# KiCad board haptic display 8x8 aisler.kicad_pcb (continued)
## Routing (per net, layer and track width the routed paths; a pad name or vN(x,y) marks a point on that pad's centre or on a via; arc(x,y) is an arc through that point) (continued)
  Back w0.15: 35.41,123.98 35.36,123.96 35,123.6 35,123.55 35.21,123.56 35.41,123.6 35.61,123.67 35.8,123.76 35.97,123.88 36.12,124.03 36.25,124.19 36.36,124.38 36.44,124.58 36.49,124.79 36.51,125 36.5,125.22 36.46,125.43 36.39,125.64 36.29,125.83 36.16,126.01 36.01,126.17 35.84,126.31 35.65,126.42 35.44,126.5 35.22,126.55 35,126.58 34.78,126.56 34.55,126.52 34.34,126.45 34.14,126.34 33.95,126.21 33.78,126.05 33.64,125.87 33.53,125.67 33.44,125.46 33.38,125.23 33.36,125 33.37,124.77 33.42,124.54 33.49,124.31 33.6,124.1 33.74,123.91 33.91,123.74 34.09,123.59 34.3,123.47 34.52,123.38 34.76,123.32 35,123.3 35.22,123.31 35.44,123.35 35.66,123.41 35.86,123.51 36.05,123.63 36.22,123.78 36.38,123.94 36.51,124.13 36.61,124.33 36.69,124.55 36.74,124.77 36.76,125 36.75,125.23 36.71,125.46 36.64,125.68 36.54,125.89 36.42,126.09 36.27,126.27 36.1,126.43 35.9,126.56 35.69,126.67 35.47,126.75 35.24,126.8 35,126.83 34.76,126.81 34.52,126.77 34.3,126.7 34.08,126.6 33.87,126.47 33.69,126.31 33.52,126.13 33.38,125.93 33.27,125.72 33.19,125.49 33.13,125.25 33.11,125 33.12,124.75 33.17,124.51 33.24,124.27 33.35,124.05 33.48,123.84 33.64,123.64 33.83,123.47 34.04,123.33 34.26,123.21 34.5,123.13 34.75,123.07 35,123.05 35.24,123.06 35.47,123.1 35.7,123.16 35.92,123.26 36.12,123.38 36.31,123.52 36.48,123.68 36.64,123.87 36.76,124.07 36.87,124.29 36.94,124.52 36.99,124.76 37.01,125 37,125.24 36.96,125.48 36.9,125.72 36.8,125.94 36.68,126.16 36.53,126.35 36.36,126.53 36.17,126.69 35.96,126.82 35.73,126.93 35.49,127.01 35.25,127.06 35,127.08 34.75,127.06 34.5,127.02 34.26,126.95 34.03,126.85 33.81,126.73 33.6,126.57 33.42,126.4 33.26,126.2 33.12,125.98 33.01,125.75 32.93,125.51 32.88,125.26 32.86,125 32.87,124.74 32.92,124.49 32.99,124.24 33.09,124 33.22,123.77 33.38,123.56 33.56,123.37 33.76,123.21 33.99,123.07 34.22,122.96 34.48,122.87 34.74,122.82 35,122.8 35.25,122.81 35.49,122.85 35.73,122.91 35.96,123 36.18,123.12 36.39,123.26 36.58,123.42 36.75,123.61 36.9,123.81 37.02,124.03 37.12,124.26 37.2,124.5 37.24,124.75 37.26,125 37.25,125.25 37.21,125.51 37.15,125.75 37.05,125.99 36.93,126.22 36.79,126.43 36.62,126.62 36.43,126.8 36.23,126.95 36,127.08 35.76,127.18 35.52,127.26 35.26,127.31 35,127.33 34.74,127.31 34.48,127.28 34.23,127.21 33.98,127.11 33.75,126.99 33.53,126.84 33.33,126.67 33.15,126.47 33,126.26 32.87,126.03 32.76,125.78 32.68,125.53 32.63,125.27 32.61,125 32.62,124.73 32.66,124.47 32.73,124.21 32.83,123.96 32.96,123.72 33.11,123.49 33.29,123.29 33.49,123.11 33.71,122.94 33.94,122.81 34.2,122.7 34.46,122.62 34.73,122.57 35,122.55 35.26,122.56 35.51,122.6 35.76,122.66 36,122.75 36.24,122.86 36.45,123 36.66,123.16 36.85,123.34 37.01,123.54 37.16,123.75 37.28,123.98 37.38,124.23 37.45,124.48 37.49,124.74 37.51,125 37.5,125.26 37.47,125.52 37.4,125.78 37.31,126.03 37.19,126.27 37.05,126.49 36.89,126.7 36.7,126.89 36.5,127.06 36.28,127.21 36.04,127.34 35.79,127.44 35.53,127.51 35.27,127.56 35,127.58 34.73,127.57 34.46,127.53 34.2,127.46 33.95,127.37 33.7,127.25 33.47,127.1 33.26,126.94 33.06,126.75 32.89,126.54 32.73,126.31 32.61,126.07 32.5,125.81 32.43,125.55 32.38,125.28 32.36,125 32.37,124.72 32.41,124.45 32.48,124.18 32.58,123.92 32.7,123.67 32.85,123.44 33.02,123.22 33.21,123.02 33.43,122.84 33.66,122.68 33.91,122.55 34.17,122.44 34.44,122.37 34.72,122.32 35,122.3 35.27,122.31 35.53,122.34 35.79,122.41 36.04,122.49 36.28,122.6 36.51,122.74 36.73,122.89 36.93,123.07 37.11,123.26 37.28,123.48 37.42,123.71 37.54,123.95 37.63,124.2 37.7,124.46 37.75,124.73 37.76,125 37.75,125.27 37.72,125.54 37.65,125.81 37.57,126.06 37.45,126.31 37.32,126.55 37.16,126.77 36.98,126.98 36.77,127.16 36.56,127.33 36.32,127.47 36.08,127.6 35.82,127.69 35.55,127.76 35.28,127.81 35,127.83 34.72,127.82 34.45,127.78 34.18,127.71 33.91,127.62 33.66,127.51 33.42,127.37 33.19,127.2 32.98,127.02 32.79,126.81 32.62,126.59 32.47,126.35 32.35,126.1 32.25,125.83 32.18,125.56 32.13,125.28 32.11,125 32.12,124.72 32.16,124.44 32.23,124.16 32.32,123.89 32.44,123.63 32.58,123.38 32.75,123.15 32.94,122.94 33.15,122.74 33.37,122.57 33.62,122.42 33.88,122.29 34.15,122.19 34.43,122.11 34.71,122.07 35,122.05 35.27,122.06 35.54,122.09 35.81,122.15 36.07,122.24 36.32,122.34 36.56,122.47 36.79,122.63 37.01,122.8 37.2,122.99 37.38,123.2 37.54,123.43 37.68,123.67 37.8,123.92 37.89,124.18 37.95,124.45 38,124.72 38.01,125 38,125.28 37.97,125.55 37.91,125.83 37.82,126.09 37.71,126.35 37.58,126.6 37.42,126.83 37.25,127.05 37.05,127.25 36.84,127.43 36.61,127.6 36.36,127.74 36.11,127.85 35.84,127.95 35.56,128.02 35.28,128.06 35,128.07 34.72,128.07 34.43,128.03 34.16,127.97 33.88,127.88 33.62,127.77 33.37,127.63 33.13,127.47 32.91,127.29 32.7,127.09 32.52,126.88 32.35,126.64 32.21,126.39 32.09,126.13 31.99,125.86 31.92,125.58 31.88,125.29 31.86,125 31.87,124.71 31.91,124.42 31.97,124.14 32.06,123.86 32.17,123.59 32.31,123.34 32.48,123.09 32.66,122.87 32.86,122.66 33.09,122.47 33.33,122.3 33.58,122.15 33.85,122.03 34.13,121.93 34.41,121.86 34.71,121.82 35,121.8 35.28,121.81 35.56,121.84 35.83,121.9 36.1,121.98 36.36,122.08 36.61,122.21 36.85,122.36 37.07,122.53 37.28,122.72 37.48,122.92 37.65,123.14 37.81,123.38 37.94,123.63 38.05,123.89 38.14,124.16 38.21,124.43 38.25,124.72 38.26,125 38.25,125.28 38.22,125.57 38.16,125.85 38.08,126.12 37.97,126.39 37.84,126.64 37.69,126.89 37.52,127.11 37.33,127.33 37.12,127.53 36.89,127.7 36.65,127.86 36.4,128 36.13,128.11 35.86,128.2 35.58,128.27 35.29,128.31 35,128.32 34.71,128.32 34.42,128.28 34.14,128.22 33.86,128.14 33.59,128.03 33.33,127.9 33.08,127.74 32.84,127.57 32.63,127.37 32.43,127.16 32.25,126.93 32.08,126.68 31.95,126.42 31.83,126.15 31.74,125.87 31.67,125.59 31.63,125.29 31.61,125 31.62,124.7 31.66,124.41 31.72,124.12 31.8,123.84 31.91,123.56 32.05,123.3 32.21,123.04 32.38,122.8 32.58,122.58 32.8,122.38 33.04,122.19 33.29,122.03 33.55,121.89 33.82,121.77 34.11,121.68 34.4,121.61 34.7,121.57 35,121.55 35.29,121.56 35.57,121.59 35.85,121.65 36.12,121.72 36.39,121.83 36.65,121.95 36.9,122.09 37.14,122.26 37.36,122.44 37.56,122.64 37.75,122.86 37.92,123.09 38.07,123.34 38.2,123.6 38.31,123.86 38.4,124.14 38.46,124.42 38.5,124.71 38.51,125 38.5,125.29 38.47,125.58 38.41,125.86 38.33,126.14 38.23,126.42 38.11,126.68 37.96,126.93 37.79,127.17 37.61,127.4 37.4,127.61 37.18,127.8 36.94,127.97 36.69,128.13 36.43,128.26 36.16,128.37 35.88,128.46 35.59,128.52 35.29,128.56 35,128.57 34.7,128.57 34.41,128.53 34.12,128.48 33.83,128.39 33.56,128.29 33.29,128.16 33.03,128.01 32.79,127.84 32.56,127.65 32.35,127.44 32.15,127.22 31.97,126.98 31.82,126.72 31.68,126.45 31.57,126.18 31.48,125.89 31.42,125.6 31.38,125.3 31.36,125 31.37,124.7 31.41,124.4 31.46,124.1 31.55,123.81 31.65,123.53 31.78,123.26 31.94,123 32.11,122.75 32.3,122.52 32.51,122.3 32.74,122.1 32.99,121.92 33.25,121.76 33.52,121.63 33.8,121.51 34.09,121.42 34.39,121.36 34.69,121.32 35,121.3 35.29,121.31 35.58,121.34 35.87,121.39 36.15,121.47 36.42,121.57 36.69,121.69 36.94,121.83 37.19,121.99 37.42,122.17 37.64,122.36 37.84,122.57 38.02,122.8 38.19,123.05 38.34,123.3 38.46,123.57 38.57,123.84 38.65,124.12 38.71,124.41 38.75,124.71 38.76,125 38.75,125.3 38.72,125.59 38.67,125.88 38.59,126.17 38.49,126.45 38.37,126.72 38.23,126.98 38.06,127.23 37.88,127.46 37.68,127.68 37.47,127.89 37.23,128.07 36.99,128.24 36.73,128.39 36.46,128.52 36.18,128.63 35.89,128.71 35.6,128.77 35.3,128.81 35,128.82 34.7,128.82 34.4,128.78 34.1,128.73 33.81,128.65 33.53,128.55 33.25,128.42 32.99,128.28 32.74,128.11 32.5,127.93 32.27,127.73 32.07,127.51 31.88,127.27 31.7,127.02 31.55,126.76 31.42,126.48 31.31,126.2 31.23,125.91 31.17,125.61 31.13,125.3 31.11,125 31.12,124.69 31.15,124.39 31.21,124.09 31.29,123.79 31.39,123.51 31.52,123.23 31.67,122.96 31.83,122.7 32.02,122.46 32.23,122.23 32.45,122.02 32.69,121.82 32.95,121.65 33.22,121.5 33.49,121.37 33.78,121.26 34.08,121.17 34.38,121.1 34.69,121.07 35,121.05 35.3,121.06 35.59,121.09 35.88,121.14 36.17,121.21 36.45,121.31 36.72,121.43 36.99,121.56 37.24,121.72 37.48,121.89 37.71,122.08 37.92,122.29 38.12,122.51 38.3,122.75 38.46,123 38.6,123.27 38.72,123.54 38.82,123.82 38.9,124.11 38.96,124.4 39,124.7 39.01,125 39,125.3 38.97,125.6 38.92,125.89 38.85,126.19 38.75,126.47 38.63,126.75 38.49,127.02 38.33,127.27 38.16,127.52 37.96,127.75 37.75,127.97 37.52,128.17 37.28,128.35 37.03,128.51 36.76,128.66 36.48,128.78 36.2,128.88 35.9,128.96 35.61,129.02 35.3,129.06 35,129.07 34.7,129.07 34.39,129.04 34.09,128.98 33.8,128.91 33.51,128.81 33.22,128.69 32.95,128.55 32.69,128.39 32.44,128.21 32.21,128.01 31.99,127.79 31.79,127.56 31.6,127.32 31.43,127.06 31.29,126.79 31.16,126.51 31.06,126.22 30.97,125.92 30.91,125.62 30.88,125.31 30.86,125 30.87,124.69 30.9,124.38 30.96,124.08 31.03,123.78 31.13,123.48 31.26,123.2 31.4,122.92 31.56,122.66 31.74,122.4 31.95,122.17 32.16,121.94 32.4,121.74 32.65,121.55 32.91,121.38 33.19,121.23 33.47,121.1 33.77,121 34.07,120.91 34.37,120.85 34.69,120.81 35,120.8 35.3,120.81 35.6,120.84 35.89,120.89 36.19,120.96 36.47,121.05 36.75,121.16 37.02,121.3 37.28,121.45 37.53,121.62 37.77,121.8 37.99,122.01 38.2,122.23 38.39,122.46 38.57,122.71 38.72,122.97 38.86,123.24 38.98,123.52 39.08,123.8 39.16,124.1 39.21,124.39 39.25,124.7 39.26,125 39.25,125.3 39.22,125.61 39.17,125.91 39.1,126.2 39.01,126.49 38.89,126.78 38.76,127.05 38.6,127.32 38.43,127.57 38.24,127.81 38.04,128.04 37.81,128.25 37.58,128.44 37.33,128.62 37.06,128.78 36.79,128.92 36.51,129.04 36.22,129.14 35.92,129.22 35.61,129.28 35.31,129.31 35,129.32 34.69,129.32 34.38,129.29 34.08,129.23 33.78,129.16 33.48,129.07 33.2,128.95 32.92,128.81 32.65,128.66 32.39,128.48 32.15,128.29 31.92,128.08 31.71,127.85 31.51,127.61 31.33,127.36 31.17,127.09 31.02,126.82 30.9,126.53 30.8,126.23 30.72,125.93 30.66,125.62 30.63,125.31 30.61,125 30.62,124.69 30.65,124.37 30.7,124.07 30.78,123.76 30.88,123.46 30.99,123.17 31.13,122.89 31.29,122.62 31.47,122.36 31.66,122.11 31.88,121.88 32.1,121.66 32.35,121.46 32.61,121.28 32.88,121.11 33.16,120.97 33.45,120.84 33.75,120.74 34.06,120.66 34.37,120.6 34.68,120.56 35,120.55 36.45,120.55 ; 35.41,108.98 35.36,108.96 35,108.6 35,108.55 35.21,108.56 35.41,108.6 35.61,108.67 35.8,108.76 35.97,108.88 36.12,109.03 36.25,109.19 36.36,109.38 36.44,109.58 36.49,109.79 36.51,110 36.5,110.22 36.46,110.43 36.39,110.64 36.29,110.83 36.16,111.01 36.01,111.17 35.84,111.31 35.65,111.42 35.44,111.5 35.22,111.55 35,111.58 34.78,111.56 34.55,111.52 34.34,111.45 34.14,111.34 33.95,111.21 33.78,111.05 33.64,110.87 33.53,110.67 33.44,110.46 33.38,110.23 33.36,110 33.37,109.77 33.42,109.54 33.49,109.31 33.6,109.1 33.74,108.91 33.91,108.74 34.09,108.59 34.3,108.47 34.52,108.38 34.76,108.32 35,108.3 35.22,108.31 35.44,108.35 35.66,108.41 35.86,108.51 36.05,108.63 36.22,108.78 36.38,108.94 36.51,109.13 36.61,109.33 36.69,109.55 36.74,109.77 36.76,110 36.75,110.23 36.71,110.46 36.64,110.68 36.54,110.89 36.42,111.09 36.27,111.27 36.1,111.43 35.9,111.56 35.69,111.67 35.47,111.75 35.24,111.8 35,111.83 34.76,111.81 34.52,111.77 34.3,111.7 34.08,111.6 33.87,111.47 33.69,111.31 33.52,111.13 33.38,110.93 33.27,110.72 33.19,110.49 33.13,110.25 33.11,110 33.12,109.75 33.17,109.51 33.24,109.27 33.35,109.05 33.48,108.84 33.64,108.64 33.83,108.47 34.04,108.33 34.26,108.21 34.5,108.13 34.75,108.07 35,108.05 35.24,108.06 35.47,108.1 35.7,108.16 35.92,108.26 36.12,108.38 36.31,108.52 36.48,108.68 36.64,108.87 36.76,109.07 36.87,109.29 36.94,109.52 36.99,109.76 37.01,110 37,110.24 36.96,110.48 36.9,110.72 36.8,110.94 36.68,111.16 36.53,111.35 36.36,111.53 36.17,111.69 35.96,111.82 35.73,111.93 35.49,112.01 35.25,112.06 35,112.08 34.75,112.06 34.5,112.02 34.26,111.95 34.03,111.85 33.81,111.73 33.6,111.57 33.42,111.4 33.26,111.2 33.12,110.98 33.01,110.75 32.93,110.51 32.88,110.26 32.86,110 32.87,109.74 32.92,109.49 32.99,109.24 33.09,109 33.22,108.77 33.38,108.56 33.56,108.37 33.76,108.21 33.99,108.07 34.22,107.96 34.48,107.87 34.74,107.82 35,107.8 35.25,107.81 35.49,107.85 35.73,107.91 35.96,108 36.18,108.12 36.39,108.26 36.58,108.42 36.75,108.61 36.9,108.81 37.02,109.03 37.12,109.26 37.2,109.5 37.24,109.75 37.26,110 37.25,110.25 37.21,110.51 37.15,110.75 37.05,110.99 36.93,111.22 36.79,111.43 36.62,111.62 36.43,111.8 36.23,111.95 36,112.08 35.76,112.18 35.52,112.26 35.26,112.31 35,112.33 34.74,112.31 34.48,112.28 34.23,112.21 33.98,112.11 33.75,111.99 33.53,111.84 33.33,111.67 33.15,111.47 33,111.26 32.87,111.03 32.76,110.78 32.68,110.53 32.63,110.27 32.61,110 32.62,109.73 32.66,109.47 32.73,109.21 32.83,108.96 32.96,108.72 33.11,108.49 33.29,108.29 33.49,108.11 33.71,107.94 33.94,107.81 34.2,107.7 34.46,107.62 34.73,107.57 35,107.55 35.26,107.56 35.51,107.6 35.76,107.66 36,107.75 36.24,107.86 36.45,108 36.66,108.16 36.85,108.34 37.01,108.54 37.16,108.75 37.28,108.98 37.38,109.23 37.45,109.48 37.49,109.74 37.51,110 37.5,110.26 37.47,110.52 37.4,110.78 37.31,111.03 37.19,111.27 37.05,111.49 36.89,111.7 36.7,111.89 36.5,112.06 36.28,112.21 36.04,112.34 35.79,112.44 35.53,112.51 35.27,112.56 35,112.58 34.73,112.57 34.46,112.53 34.2,112.46 33.95,112.37 33.7,112.25 33.47,112.1 33.26,111.94 33.06,111.75 32.89,111.54 32.73,111.31 32.61,111.07 32.5,110.81 32.43,110.55 32.38,110.28 32.36,110 32.37,109.72 32.41,109.45 32.48,109.18 32.58,108.92 32.7,108.67 32.85,108.44 33.02,108.22 33.21,108.02 33.43,107.84 33.66,107.68 33.91,107.55 34.17,107.44 34.44,107.37 34.72,107.32 35,107.3 35.27,107.31 35.53,107.34 35.79,107.41 36.04,107.49 36.28,107.6 36.51,107.74 36.73,107.89 36.93,108.07 37.11,108.26 37.28,108.48 37.42,108.71 37.54,108.95 37.63,109.2 37.7,109.46 37.75,109.73 37.76,110 37.75,110.27 37.72,110.54 37.65,110.81 37.57,111.06 37.45,111.31 37.32,111.55 37.16,111.77 36.98,111.98 36.77,112.16 36.56,112.33 36.32,112.47 36.08,112.6 35.82,112.69 35.55,112.76 35.28,112.81 35,112.83 34.72,112.82 34.45,112.78 34.18,112.71 33.91,112.62 33.66,112.51 33.42,112.37 33.19,112.2 32.98,112.02 32.79,111.81 32.62,111.59 32.47,111.35 32.35,111.1 32.25,110.83 32.18,110.56 32.13,110.28 32.11,110 32.12,109.72 32.16,109.44 32.23,109.16 32.32,108.89 32.44,108.63 32.58,108.38 32.75,108.15 32.94,107.94 33.15,107.74 33.37,107.57 33.62,107.42 33.88,107.29 34.15,107.19 34.43,107.11 34.71,107.07 35,107.05 35.27,107.06 35.54,107.09 35.81,107.15 36.07,107.24 36.32,107.34 36.56,107.47 36.79,107.63 37.01,107.8 37.2,107.99 37.38,108.2 37.54,108.43 37.68,108.67 37.8,108.92 37.89,109.18 37.95,109.45 38,109.72 38.01,110 38,110.28 37.97,110.55 37.91,110.83 37.82,111.09 37.71,111.35 37.58,111.6 37.42,111.83 37.25,112.05 37.05,112.25 36.84,112.43 36.61,112.6 36.36,112.74 36.11,112.85 35.84,112.95 35.56,113.02 35.28,113.06 35,113.08 34.72,113.07 34.43,113.03 34.16,112.97 33.88,112.88 33.62,112.77 33.37,112.63 33.13,112.47 32.91,112.29 32.7,112.09 32.52,111.88 32.35,111.64 32.21,111.39 32.09,111.13 31.99,110.86 31.92,110.58 31.88,110.29 31.86,110 31.87,109.71 31.91,109.42 31.97,109.14 32.06,108.86 32.17,108.59 32.31,108.34 32.48,108.09 32.66,107.87 32.86,107.66 33.09,107.47 33.33,107.3 33.58,107.15 33.85,107.03 34.13,106.93 34.41,106.86 34.71,106.82 35,106.8 35.28,106.81 35.56,106.84 35.83,106.9 36.1,106.98 36.36,107.08 36.61,107.21 36.85,107.36 37.07,107.53 37.28,107.72 37.48,107.92 37.65,108.14 37.81,108.38 37.94,108.63 38.05,108.89 38.14,109.16 38.21,109.43 38.25,109.72 38.26,110 38.25,110.28 38.22,110.57 38.16,110.85 38.08,111.12 37.97,111.39 37.84,111.64 37.69,111.89 37.52,112.11 37.33,112.33 37.12,112.53 36.89,112.7 36.65,112.86 36.4,113 36.13,113.11 35.86,113.2 35.58,113.27 35.29,113.31 35,113.33 34.71,113.32 34.42,113.28 34.14,113.22 33.86,113.14 33.59,113.03 33.33,112.9 33.08,112.74 32.84,112.57 32.63,112.37 32.43,112.16 32.25,111.93 32.08,111.68 31.95,111.42 31.83,111.15 31.74,110.87 31.67,110.59 31.63,110.29 31.61,110 31.62,109.7 31.66,109.41 31.72,109.12 31.8,108.84 31.91,108.56 32.05,108.3 32.21,108.04 32.38,107.8 32.58,107.58 32.8,107.38 33.04,107.19 33.29,107.03 33.55,106.89 33.82,106.77 34.11,106.68 34.4,106.61 34.7,106.57 35,106.55 35.29,106.56 35.57,106.59 35.85,106.65 36.12,106.72 36.39,106.83 36.65,106.95 36.9,107.09 37.14,107.26 37.36,107.44 37.56,107.64 37.75,107.86 37.92,108.09 38.07,108.34 38.2,108.6 38.31,108.86 38.4,109.14 38.46,109.42 38.5,109.71 38.51,110 38.5,110.29 38.47,110.58 38.41,110.86 38.33,111.14 38.23,111.42 38.11,111.68 37.96,111.93 37.79,112.17 37.61,112.4 37.4,112.61 37.18,112.8 36.94,112.97 36.69,113.13 36.43,113.26 36.16,113.37 35.88,113.46 35.59,113.52 35.29,113.56 35,113.58 34.7,113.57 34.41,113.53 34.12,113.48 33.83,113.39 33.56,113.29 33.29,113.16 33.03,113.01 32.79,112.84 32.56,112.65 32.35,112.44 32.15,112.22 31.97,111.98 31.82,111.72 31.68,111.45 31.57,111.18 31.48,110.89 31.42,110.6 31.38,110.3 31.36,110 31.37,109.7 31.41,109.4 31.46,109.1 31.55,108.81 31.65,108.53 31.78,108.26 31.94,108 32.11,107.75 32.3,107.52 32.51,107.3 32.74,107.1 32.99,106.92 33.25,106.76 33.52,106.63 33.8,106.51 34.09,106.42 34.39,106.36 34.69,106.32 35,106.3 35.29,106.31 35.58,106.34 35.87,106.39 36.15,106.47 36.42,106.57 36.69,106.69 36.94,106.83 37.19,106.99 37.42,107.17 37.64,107.36 37.84,107.57 38.02,107.8 38.19,108.05 38.34,108.3 38.46,108.57 38.57,108.84 38.65,109.12 38.71,109.41 38.75,109.71 38.76,110 38.75,110.3 38.72,110.59 38.67,110.88 38.59,111.17 38.49,111.45 38.37,111.72 38.23,111.98 38.06,112.23 37.88,112.46 37.68,112.68 37.47,112.89 37.23,113.07 36.99,113.24 36.73,113.39 36.46,113.52 36.18,113.63 35.89,113.71 35.6,113.77 35.3,113.81 35,113.83 34.7,113.82 34.4,113.78 34.1,113.73 33.81,113.65 33.53,113.55 33.25,113.42 32.99,113.28 32.74,113.11 32.5,112.93 32.27,112.73 32.07,112.51 31.88,112.27 31.7,112.02 31.55,111.76 31.42,111.48 31.31,111.2 31.23,110.91 31.17,110.61 31.13,110.3 31.11,110 31.12,109.69 31.15,109.39 31.21,109.09 31.29,108.79 31.39,108.51 31.52,108.23 31.67,107.96 31.83,107.7 32.02,107.46 32.23,107.23 32.45,107.02 32.69,106.82 32.95,106.65 33.22,106.5 33.49,106.37 33.78,106.26 34.08,106.17 34.38,106.1 34.69,106.07 35,106.05 35.3,106.06 35.59,106.09 35.88,106.14 36.17,106.21 36.45,106.31 36.72,106.43 36.99,106.56 37.24,106.72 37.48,106.89 37.71,107.08 37.92,107.29 38.12,107.51 38.3,107.75 38.46,108 38.6,108.27 38.72,108.54 38.82,108.82 38.9,109.11 38.96,109.4 39,109.7 39.01,110 39,110.3 38.97,110.6 38.92,110.89 38.85,111.19 38.75,111.47 38.63,111.75 38.49,112.02 38.33,112.27 38.16,112.52 37.96,112.75 37.75,112.97 37.52,113.17 37.28,113.35 37.03,113.51 36.76,113.66 36.48,113.78 36.2,113.88 35.9,113.96 35.61,114.02 35.3,114.06 35,114.08 34.7,114.07 34.39,114.04 34.09,113.98 33.8,113.91 33.51,113.81 33.22,113.69 32.95,113.55 32.69,113.39 32.44,113.21 32.21,113.01 31.99,112.79 31.79,112.56 31.6,112.32 31.43,112.06 31.29,111.79 31.16,111.51 31.06,111.22 30.97,110.92 30.91,110.62 30.88,110.31 30.86,110 30.87,109.69 30.9,109.38 30.96,109.08 31.03,108.78 31.13,108.48 31.26,108.2 31.4,107.92 31.56,107.66 31.74,107.4 31.95,107.17 32.16,106.94 32.4,106.74 32.65,106.55 32.91,106.38 33.19,106.23 33.47,106.1 33.77,106 34.07,105.91 34.37,105.85 34.69,105.81 35,105.8 35.3,105.81 35.6,105.84 35.89,105.89 36.19,105.96 36.47,106.05 36.75,106.16 37.02,106.3 37.28,106.45 37.53,106.62 37.77,106.8 37.99,107.01 38.2,107.23 38.39,107.46 38.57,107.71 38.72,107.97 38.86,108.24 38.98,108.52 39.08,108.8 39.16,109.1 39.21,109.39 39.25,109.7 39.26,110 39.25,110.3 39.22,110.61 39.17,110.91 39.1,111.2 39.01,111.49 38.89,111.78 38.76,112.05 38.6,112.32 38.43,112.57 38.24,112.81 38.04,113.04 37.81,113.25 37.58,113.44 37.33,113.62 37.06,113.78 36.79,113.92 36.51,114.04 36.22,114.14 35.92,114.22 35.61,114.28 35.31,114.31 35,114.33 34.69,114.32 34.38,114.29 34.08,114.23 33.78,114.16 33.48,114.07 33.2,113.95 32.92,113.81 32.65,113.66 32.39,113.48 32.15,113.29 31.92,113.08 31.71,112.85 31.51,112.61 31.33,112.36 31.17,112.09 31.02,111.82 30.9,111.53 30.8,111.23 30.72,110.93 30.66,110.62 30.63,110.31 30.61,110 30.62,109.69 30.65,109.37 30.7,109.07 30.78,108.76 30.88,108.46 30.99,108.17 31.13,107.89 31.29,107.62 31.47,107.36 31.66,107.11 31.88,106.88 32.1,106.66 32.35,106.46 32.61,106.28 32.88,106.11 33.16,105.97 33.45,105.84 33.75,105.74 34.06,105.66 34.37,105.6 34.68,105.56 35,105.55 36.45,105.55 ; 35.41,93.98 35.36,93.96 35,93.6 35,93.55 35.21,93.56 35.41,93.6 35.61,93.67 35.8,93.76 35.97,93.88 36.12,94.03 36.25,94.19 36.36,94.38 36.44,94.58 36.49,94.79 36.51,95 36.5,95.22 36.46,95.43 36.39,95.64 36.29,95.83 36.16,96.01 36.01,96.17 35.84,96.31 35.65,96.42 35.44,96.5 35.22,96.55 35,96.58 34.78,96.56 34.55,96.52 34.34,96.45 34.14,96.34 33.95,96.21 33.78,96.05 33.64,95.87 33.53,95.67 33.44,95.46 33.38,95.23 33.36,95 33.37,94.77 33.42,94.54 33.49,94.31 33.6,94.1 33.74,93.91 33.91,93.74 34.09,93.59 34.3,93.47 34.52,93.38 34.76,93.32 35,93.3 35.22,93.31 35.44,93.35 35.66,93.41 35.86,93.51 36.05,93.63 36.22,93.78 36.38,93.94 36.51,94.13 36.61,94.33 36.69,94.55 36.74,94.77 36.76,95 36.75,95.23 36.71,95.46 36.64,95.68 36.54,95.89 36.42,96.09 36.27,96.27 36.1,96.43 35.9,96.56 35.69,96.67 35.47,96.75 35.24,96.8 35,96.83 34.76,96.81 34.52,96.77 34.3,96.7 34.08,96.6 33.87,96.47 33.69,96.31 33.52,96.13 33.38,95.93 33.27,95.72 33.19,95.49 33.13,95.25 33.11,95 33.12,94.75 33.17,94.51 33.24,94.27 33.35,94.05 33.48,93.84 33.64,93.64 33.83,93.47 34.04,93.33 34.26,93.21 34.5,93.13 34.75,93.07 35,93.05 35.24,93.06 35.47,93.1 35.7,93.16 35.92,93.26 36.12,93.38 36.31,93.52 36.48,93.68 36.64,93.87 36.76,94.07 36.87,94.29 36.94,94.52 36.99,94.76 37.01,95 37,95.24 36.96,95.48 36.9,95.72 36.8,95.94 36.68,96.16 36.53,96.35 36.36,96.53 36.17,96.69 35.96,96.82 35.73,96.93 35.49,97.01 35.25,97.06 35,97.08 34.75,97.06 34.5,97.02 34.26,96.95 34.03,96.85 33.81,96.73 33.6,96.57 33.42,96.4 33.26,96.2 33.12,95.98 33.01,95.75 32.93,95.51 32.88,95.26 32.86,95 32.87,94.74 32.92,94.49 32.99,94.24 33.09,94 33.22,93.77 33.38,93.56 33.56,93.37 33.76,93.21 33.99,93.07 34.22,92.96 34.48,92.87 34.74,92.82 35,92.8 35.25,92.81 35.49,92.85 35.73,92.91 35.96,93 36.18,93.12 36.39,93.26 36.58,93.42 36.75,93.61 36.9,93.81 37.02,94.03 37.12,94.26 37.2,94.5 37.24,94.75 37.26,95 37.25,95.25 37.21,95.51 37.15,95.75 37.05,95.99 36.93,96.22 36.79,96.43 36.62,96.62 36.43,96.8 36.23,96.95 36,97.08 35.76,97.18 35.52,97.26 35.26,97.31 35,97.33 34.74,97.31 34.48,97.28 34.23,97.21 33.98,97.11 33.75,96.99 33.53,96.84 33.33,96.67 33.15,96.47 33,96.26 32.87,96.03 32.76,95.78 32.68,95.53 32.63,95.27 32.61,95 32.62,94.73 32.66,94.47 32.73,94.21 32.83,93.96 32.96,93.72 33.11,93.49 33.29,93.29 33.49,93.11 33.71,92.94 33.94,92.81 34.2,92.7 34.46,92.62 34.73,92.57 35,92.55 35.26,92.56 35.51,92.6 35.76,92.66 36,92.75 36.24,92.86 36.45,93 36.66,93.16 36.85,93.34 37.01,93.54 37.16,93.75 37.28,93.98 37.38,94.23 37.45,94.48 37.49,94.74 37.51,95 37.5,95.26 37.47,95.52 37.4,95.78 37.31,96.03 37.19,96.27 37.05,96.49 36.89,96.7 36.7,96.89 36.5,97.06 36.28,97.21 36.04,97.34 35.79,97.44 35.53,97.51 35.27,97.56 35,97.58 34.73,97.57 34.46,97.53 34.2,97.46 33.95,97.37 33.7,97.25 33.47,97.1 33.26,96.94 33.06,96.75 32.89,96.54 32.73,96.31 32.61,96.07 32.5,95.81 32.43,95.55 32.38,95.28 32.36,95 32.37,94.72 32.41,94.45 32.48,94.18 32.58,93.92 32.7,93.67 32.85,93.44 33.02,93.22 33.21,93.02 33.43,92.84 33.66,92.68 33.91,92.55 34.17,92.44 34.44,92.37 34.72,92.32 35,92.3 35.27,92.31 35.53,92.34 35.79,92.41 36.04,92.49 36.28,92.6 36.51,92.74 36.73,92.89 36.93,93.07 37.11,93.26 37.28,93.48 37.42,93.71 37.54,93.95 37.63,94.2 37.7,94.46 37.75,94.73 37.76,95 37.75,95.27 37.72,95.54 37.65,95.81 37.57,96.06 37.45,96.31 37.32,96.55 37.16,96.77 36.98,96.98 36.77,97.16 36.56,97.33 36.32,97.47 36.08,97.6 35.82,97.69 35.55,97.76 35.28,97.81 35,97.83 34.72,97.82 34.45,97.78 34.18,97.71 33.91,97.62 33.66,97.51 33.42,97.37 33.19,97.2 32.98,97.02 32.79,96.81 32.62,96.59 32.47,96.35 32.35,96.1 32.25,95.83 32.18,95.56 32.13,95.28 32.11,95 32.12,94.72 32.16,94.44 32.23,94.16 32.32,93.89 32.44,93.63 32.58,93.38 32.75,93.15 32.94,92.94 33.15,92.74 33.37,92.57 33.62,92.42 33.88,92.29 34.15,92.19 34.43,92.11 34.71,92.07 35,92.05 35.27,92.06 35.54,92.09 35.81,92.15 36.07,92.24 36.32,92.34 36.56,92.47 36.79,92.63 37.01,92.8 37.2,92.99 37.38,93.2 37.54,93.43 37.68,93.67 37.8,93.92 37.89,94.18 37.95,94.45 38,94.72 38.01,95 38,95.28 37.97,95.55 37.91,95.83 37.82,96.09 37.71,96.35 37.58,96.6 37.42,96.83 37.25,97.05 37.05,97.25 36.84,97.43 36.61,97.6 36.36,97.74 36.11,97.85 35.84,97.95 35.56,98.02 35.28,98.06 35,98.08 34.72,98.07 34.43,98.03 34.16,97.97 33.88,97.88 33.62,97.77 33.37,97.63 33.13,97.47 32.91,97.29 32.7,97.09 32.52,96.88 32.35,96.64 32.21,96.39 32.09,96.13 31.99,95.86 31.92,95.58 31.88,95.29 31.86,95 31.87,94.71 31.91,94.42 31.97,94.14 32.06,93.86 32.17,93.59 32.31,93.34 32.48,93.09 32.66,92.87 32.86,92.66 33.09,92.47 33.33,92.3 33.58,92.15 33.85,92.03 34.13,91.93 34.41,91.86 34.71,91.82 35,91.8 35.28,91.81 35.56,91.84 35.83,91.9 36.1,91.98 36.36,92.08 36.61,92.21 36.85,92.36 37.07,92.53 37.28,92.72 37.48,92.92 37.65,93.14 37.81,93.38 37.94,93.63 38.05,93.89 38.14,94.16 38.21,94.43 38.25,94.72 38.26,95 38.25,95.28 38.22,95.57 38.16,95.85 38.08,96.12 37.97,96.39 37.84,96.64 37.69,96.89 37.52,97.11 37.33,97.33 37.12,97.53 36.89,97.7 36.65,97.86 36.4,98 36.13,98.11 35.86,98.2 35.58,98.27 35.29,98.31 35,98.33 34.71,98.32 34.42,98.28 34.14,98.22 33.86,98.14 33.59,98.03 33.33,97.9 33.08,97.74 32.84,97.57 32.63,97.37 32.43,97.16 32.25,96.93 32.08,96.68 31.95,96.42 31.83,96.15 31.74,95.87 31.67,95.59 31.63,95.29 31.61,95 31.62,94.7 31.66,94.41 31.72,94.12 31.8,93.84 31.91,93.56 32.05,93.3 32.21,93.04 32.38,92.8 32.58,92.58 32.8,92.38 33.04,92.19 33.29,92.03 33.55,91.89 33.82,91.77 34.11,91.68 34.4,91.61 34.7,91.57 35,91.55 35.29,91.56 35.57,91.59 35.85,91.65 36.12,91.72 36.39,91.83 36.65,91.95 36.9,92.09 37.14,92.26 37.36,92.44 37.56,92.64 37.75,92.86 37.92,93.09 38.07,93.34 38.2,93.6 38.31,93.86 38.4,94.14 38.46,94.42 38.5,94.71 38.51,95 38.5,95.29 38.47,95.58 38.41,95.86 38.33,96.14 38.23,96.42 38.11,96.68 37.96,96.93 37.79,97.17 37.61,97.4 37.4,97.61 37.18,97.8 36.94,97.97 36.69,98.13 36.43,98.26 36.16,98.37 35.88,98.46 35.59,98.52 35.29,98.56 35,98.58 34.7,98.57 34.41,98.53 34.12,98.48 33.83,98.39 33.56,98.29 33.29,98.16 33.03,98.01 32.79,97.84 32.56,97.65 32.35,97.44 32.15,97.22 31.97,96.98 31.82,96.72 31.68,96.45 31.57,96.18 31.48,95.89 31.42,95.6 31.38,95.3 31.36,95 31.37,94.7 31.41,94.4 31.46,94.1 31.55,93.81 31.65,93.53 31.78,93.26 31.94,93 32.11,92.75 32.3,92.52 32.51,92.3 32.74,92.1 32.99,91.92 33.25,91.76 33.52,91.63 33.8,91.51 34.09,91.42 34.39,91.36 34.69,91.32 35,91.3 35.29,91.31 35.58,91.34 35.87,91.39 36.15,91.47 36.42,91.57 36.69,91.69 36.94,91.83 37.19,91.99 37.42,92.17 37.64,92.36 37.84,92.57 38.02,92.8 38.19,93.05 38.34,93.3 38.46,93.57 38.57,93.84 38.65,94.12 38.71,94.41 38.75,94.71 38.76,95 38.75,95.3 38.72,95.59 38.67,95.88 38.59,96.17 38.49,96.45 38.37,96.72 38.23,96.98 38.06,97.23 37.88,97.46 37.68,97.68 37.47,97.89 37.23,98.07 36.99,98.24 36.73,98.39 36.46,98.52 36.18,98.63 35.89,98.71 35.6,98.77 35.3,98.81 35,98.83 34.7,98.82 34.4,98.78 34.1,98.73 33.81,98.65 33.53,98.55 33.25,98.42 32.99,98.28 32.74,98.11 32.5,97.93 32.27,97.73 32.07,97.51 31.88,97.27 31.7,97.02 31.55,96.76 31.42,96.48 31.31,96.2 31.23,95.91 31.17,95.61 31.13,95.3 31.11,95 31.12,94.69 31.15,94.39 31.21,94.09 31.29,93.79 31.39,93.51 31.52,93.23 31.67,92.96 31.83,92.7 32.02,92.46 32.23,92.23 32.45,92.02 32.69,91.82 32.95,91.65 33.22,91.5 33.49,91.37 33.78,91.26 34.08,91.17 34.38,91.1 34.69,91.07 35,91.05 35.3,91.06 35.59,91.09 35.88,91.14 36.17,91.21 36.45,91.31 36.72,91.43 36.99,91.56 37.24,91.72 37.48,91.89 37.71,92.08 37.92,92.29 38.12,92.51 38.3,92.75 38.46,93 38.6,93.27 38.72,93.54 38.82,93.82 38.9,94.11 38.96,94.4 39,94.7 39.01,95 39,95.3 38.97,95.6 38.92,95.89 38.85,96.19 38.75,96.47 38.63,96.75 38.49,97.02 38.33,97.27 38.16,97.52 37.96,97.75 37.75,97.97 37.52,98.17 37.28,98.35 37.03,98.51 36.76,98.66 36.48,98.78 36.2,98.88 35.9,98.96 35.61,99.02 35.3,99.06 35,99.08 34.7,99.07 34.39,99.04 34.09,98.98 33.8,98.91 33.51,98.81 33.22,98.69 32.95,98.55 32.69,98.39 32.44,98.21 32.21,98.01 31.99,97.79 31.79,97.56 31.6,97.32 31.43,97.06 31.29,96.79 31.16,96.51 31.06,96.22 30.97,95.92 30.91,95.62 30.88,95.31 30.86,95 30.87,94.69 30.9,94.38 30.96,94.08 31.03,93.78 31.13,93.48 31.26,93.2 31.4,92.92 31.56,92.66 31.74,92.4 31.95,92.17 32.16,91.94 32.4,91.74 32.65,91.55 32.91,91.38 33.19,91.23 33.47,91.1 33.77,91 34.07,90.91 34.37,90.85 34.69,90.81 35,90.8 35.3,90.81 35.6,90.84 35.89,90.89 36.19,90.96 36.47,91.05 36.75,91.16 37.02,91.3 37.28,91.45 37.53,91.62 37.77,91.8 37.99,92.01 38.2,92.23 38.39,92.46 38.57,92.71 38.72,92.97 38.86,93.24 38.98,93.52 39.08,93.8 39.16,94.1 39.21,94.39 39.25,94.7 39.26,95 39.25,95.3 39.22,95.61 39.17,95.91 39.1,96.2 39.01,96.49 38.89,96.78 38.76,97.05 38.6,97.32 38.43,97.57 38.24,97.81 38.04,98.04 37.81,98.25 37.58,98.44 37.33,98.62 37.06,98.78 36.79,98.92 36.51,99.04 36.22,99.14 35.92,99.22 35.61,99.28 35.31,99.31 35,99.33 34.69,99.32 34.38,99.29 34.08,99.23 33.78,99.16 33.48,99.07 33.2,98.95 32.92,98.81 32.65,98.66 32.39,98.48 32.15,98.29 31.92,98.08 31.71,97.85 31.51,97.61 31.33,97.36 31.17,97.09 31.02,96.82 30.9,96.53 30.8,96.23 30.72,95.93 30.66,95.62 30.63,95.31 30.61,95 30.62,94.69 30.65,94.37 30.7,94.07 30.78,93.76 30.88,93.46 30.99,93.17 31.13,92.89 31.29,92.62 31.47,92.36 31.66,92.11 31.88,91.88 32.1,91.66 32.35,91.46 32.61,91.28 32.88,91.11 33.16,90.97 33.45,90.84 33.75,90.74 34.06,90.66 34.37,90.6 34.68,90.56 35,90.55 36.45,90.55 ; 35.41,78.98 35.36,78.96 35,78.6 35,78.55 35.21,78.56 35.41,78.6 35.61,78.67 35.8,78.76 35.97,78.88 36.12,79.03 36.25,79.19 36.36,79.38 36.44,79.58 36.49,79.79 36.51,80 36.5,80.22 36.46,80.43 36.39,80.64 36.29,80.83 36.16,81.01 36.01,81.17 35.84,81.31 35.65,81.42 35.44,81.5 35.22,81.55 35,81.58 34.78,81.56 34.55,81.52 34.34,81.45 34.14,81.34 33.95,81.21 33.78,81.05 33.64,80.87 33.53,80.67 33.44,80.46 33.38,80.23 33.36,80 33.37,79.77 33.42,79.54 33.49,79.31 33.6,79.1 33.74,78.91 33.91,78.74 34.09,78.59 34.3,78.47 34.52,78.38 34.76,78.32 35,78.3 35.22,78.31 35.44,78.35 35.66,78.41 35.86,78.51 36.05,78.63 36.22,78.78 36.38,78.94 36.51,79.13 36.61,79.33 36.69,79.55 36.74,79.77 36.76,80 36.75,80.23 36.71,80.46 36.64,80.68 36.54,80.89 36.42,81.09 36.27,81.27 36.1,81.43 35.9,81.56 35.69,81.67 35.47,81.75 35.24,81.8 35,81.83 34.76,81.81 34.52,81.77 34.3,81.7 34.08,81.6 33.87,81.47 33.69,81.31 33.52,81.13 33.38,80.93 33.27,80.72 33.19,80.49 33.13,80.25 33.11,80 33.12,79.75 33.17,79.51 33.24,79.27 33.35,79.05 33.48,78.84 33.64,78.64 33.83,78.47 34.04,78.33 34.26,78.21 34.5,78.13 34.75,78.07 35,78.05 35.24,78.06 35.47,78.1 35.7,78.16 35.92,78.26 36.12,78.38 36.31,78.52 36.48,78.68 36.64,78.87 36.76,79.07 36.87,79.29 36.94,79.52 36.99,79.76 37.01,80 37,80.24 36.96,80.48 36.9,80.72 36.8,80.94 36.68,81.16 36.53,81.35 36.36,81.53 36.17,81.69 35.96,81.82 35.73,81.93 35.49,82.01 35.25,82.06 35,82.08 34.75,82.06 34.5,82.02 34.26,81.95 34.03,81.85 33.81,81.73 33.6,81.57 33.42,81.4 33.26,81.2 33.12,80.98 33.01,80.75 32.93,80.51 32.88,80.26 32.86,80 32.87,79.74 32.92,79.49 32.99,79.24 33.09,79 33.22,78.77 33.38,78.56 33.56,78.37 33.76,78.21 33.99,78.07 34.22,77.96 34.48,77.87 34.74,77.82 35,77.8 35.25,77.81 35.49,77.85 35.73,77.91 35.96,78 36.18,78.12 36.39,78.26 36.58,78.42 36.75,78.61 36.9,78.81 37.02,79.03 37.12,79.26 37.2,79.5 37.24,79.75 37.26,80 37.25,80.25 37.21,80.51 37.15,80.75 37.05,80.99 36.93,81.22 36.79,81.43 36.62,81.62 36.43,81.8 36.23,81.95 36,82.08 35.76,82.18 35.52,82.26 35.26,82.31 35,82.33 34.74,82.31 34.48,82.28 34.23,82.21 33.98,82.11 33.75,81.99 33.53,81.84 33.33,81.67 33.15,81.47 33,81.26 32.87,81.03 32.76,80.78 32.68,80.53 32.63,80.27 32.61,80 32.62,79.73 32.66,79.47 32.73,79.21 32.83,78.96 32.96,78.72 33.11,78.49 33.29,78.29 33.49,78.11 33.71,77.94 33.94,77.81 34.2,77.7 34.46,77.62 34.73,77.57 35,77.55 35.26,77.56 35.51,77.6 35.76,77.66 36,77.75 36.24,77.86 36.45,78 36.66,78.16 36.85,78.34 37.01,78.54 37.16,78.75 37.28,78.98 37.38,79.23 37.45,79.48 37.49,79.74 37.51,80 37.5,80.26 37.47,80.52 37.4,80.78 37.31,81.03 37.19,81.27 37.05,81.49 36.89,81.7 36.7,81.89 36.5,82.06 36.28,82.21 36.04,82.34 35.79,82.44 35.53,82.51 35.27,82.56 35,82.58 34.73,82.57 34.46,82.53 34.2,82.46 33.95,82.37 33.7,82.25 33.47,82.1 33.26,81.94 33.06,81.75 32.89,81.54 32.73,81.31 32.61,81.07 32.5,80.81 32.43,80.55 32.38,80.28 32.36,80 32.37,79.72 32.41,79.45 32.48,79.18 32.58,78.92 32.7,78.67 32.85,78.44 33.02,78.22 33.21,78.02 33.43,77.84 33.66,77.68 33.91,77.55 34.17,77.44 34.44,77.37 34.72,77.32 35,77.3 35.27,77.31 35.53,77.34 35.79,77.41 36.04,77.49 36.28,77.6 36.51,77.74 36.73,77.89 36.93,78.07 37.11,78.26 37.28,78.48 37.42,78.71 37.54,78.95 37.63,79.2 37.7,79.46 37.75,79.73 37.76,80 37.75,80.27 37.72,80.54 37.65,80.81 37.57,81.06 37.45,81.31 37.32,81.55 37.16,81.77 36.98,81.98 36.77,82.16 36.56,82.33 36.32,82.47 36.08,82.6 35.82,82.69 35.55,82.76 35.28,82.81 35,82.83 34.72,82.82 34.45,82.78 34.18,82.71 33.91,82.62 33.66,82.51 33.42,82.37 33.19,82.2 32.98,82.02 32.79,81.81 32.62,81.59 32.47,81.35 32.35,81.1 32.25,80.83 32.18,80.56 32.13,80.28 32.11,80 32.12,79.72 32.16,79.44 32.23,79.16 32.32,78.89 32.44,78.63 32.58,78.38 32.75,78.15 32.94,77.94 33.15,77.74 33.37,77.57 33.62,77.42 33.88,77.29 34.15,77.19 34.43,77.11 34.71,77.07 35,77.05 35.27,77.06 35.54,77.09 35.81,77.15 36.07,77.24 36.32,77.34 36.56,77.47 36.79,77.63 37.01,77.8 37.2,77.99 37.38,78.2 37.54,78.43 37.68,78.67 37.8,78.92 37.89,79.18 37.95,79.45 38,79.72 38.01,80 38,80.28 37.97,80.55 37.91,80.83 37.82,81.09 37.71,81.35 37.58,81.6 37.42,81.83 37.25,82.05 37.05,82.25 36.84,82.43 36.61,82.6 36.36,82.74 36.11,82.85 35.84,82.95 35.56,83.02 35.28,83.06 35,83.08 34.72,83.07 34.43,83.03 34.16,82.97 33.88,82.88 33.62,82.77 33.37,82.63 33.13,82.47 32.91,82.29 32.7,82.09 32.52,81.88 32.35,81.64 32.21,81.39 32.09,81.13 31.99,80.86 31.92,80.58 31.88,80.29 31.86,80 31.87,79.71 31.91,79.42 31.97,79.14 32.06,78.86 32.17,78.59 32.31,78.34 32.48,78.09 32.66,77.87 32.86,77.66 33.09,77.47 33.33,77.3 33.58,77.15 33.85,77.03 34.13,76.93 34.41,76.86 34.71,76.82 35,76.8 35.28,76.81 35.56,76.84 35.83,76.9 36.1,76.98 36.36,77.08 36.61,77.21 36.85,77.36 37.07,77.53 37.28,77.72 37.48,77.92 37.65,78.14 37.81,78.38 37.94,78.63 38.05,78.89 38.14,79.16 38.21,79.43 38.25,79.72 38.26,80 38.25,80.28 38.22,80.57 38.16,80.85 38.08,81.12 37.97,81.39 37.84,81.64 37.69,81.89 37.52,82.11 37.33,82.33 37.12,82.53 36.89,82.7 36.65,82.86 36.4,83 36.13,83.11 35.86,83.2 35.58,83.27 35.29,83.31 35,83.33 34.71,83.32 34.42,83.28 34.14,83.22 33.86,83.14 33.59,83.03 33.33,82.9 33.08,82.74 32.84,82.57 32.63,82.37 32.43,82.16 32.25,81.93 32.08,81.68 31.95,81.42 31.83,81.15 31.74,80.87 31.67,80.59 31.63,80.29 31.61,80 31.62,79.7 31.66,79.41 31.72,79.12 31.8,78.84 31.91,78.56 32.05,78.3 32.21,78.04 32.38,77.8 32.58,77.58 32.8,77.38 33.04,77.19 33.29,77.03 33.55,76.89 33.82,76.77 34.11,76.68 34.4,76.61 34.7,76.57 35,76.55 35.29,76.56 35.57,76.59 35.85,76.65 36.12,76.72 36.39,76.83 36.65,76.95 36.9,77.09 37.14,77.26 37.36,77.44 37.56,77.64 37.75,77.86 37.92,78.09 38.07,78.34 38.2,78.6 38.31,78.86 38.4,79.14 38.46,79.42 38.5,79.71 38.51,80 38.5,80.29 38.47,80.58 38.41,80.86 38.33,81.14 38.23,81.42 38.11,81.68 37.96,81.93 37.79,82.17 37.61,82.4 37.4,82.61 37.18,82.8 36.94,82.97 36.69,83.13 36.43,83.26 36.16,83.37 35.88,83.46 35.59,83.52 35.29,83.56 35,83.58 34.7,83.57 34.41,83.53 34.12,83.48 33.83,83.39 33.56,83.29 33.29,83.16 33.03,83.01 32.79,82.84 32.56,82.65 32.35,82.44 32.15,82.22 31.97,81.98 31.82,81.72 31.68,81.45 31.57,81.18 31.48,80.89 31.42,80.6 31.38,80.3 31.36,80 31.37,79.7 31.41,79.4 31.46,79.1 31.55,78.81 31.65,78.53 31.78,78.26 31.94,78 32.11,77.75 32.3,77.52 32.51,77.3 32.74,77.1 32.99,76.92 33.25,76.76 33.52,76.63 33.8,76.51 34.09,76.42 34.39,76.36 34.69,76.32 35,76.3 35.29,76.31 35.58,76.34 35.87,76.39 36.15,76.47 36.42,76.57 36.69,76.69 36.94,76.83 37.19,76.99 37.42,77.17 37.64,77.36 37.84,77.57 38.02,77.8 38.19,78.05 38.34,78.3 38.46,78.57 38.57,78.84 38.65,79.12 38.71,79.41 38.75,79.71 38.76,80 38.75,80.3 38.72,80.59 38.67,80.88 38.59,81.17 38.49,81.45 38.37,81.72 38.23,81.98 38.06,82.23 37.88,82.46 37.68,82.68 37.47,82.89 37.23,83.07 36.99,83.24 36.73,83.39 36.46,83.52 36.18,83.63 35.89,83.71 35.6,83.77 35.3,83.81 35,83.83 34.7,83.82 34.4,83.78 34.1,83.73 33.81,83.65 33.53,83.55 33.25,83.42 32.99,83.28 32.74,83.11 32.5,82.93 32.27,82.73 32.07,82.51 31.88,82.27 31.7,82.02 31.55,81.76 31.42,81.48 31.31,81.2 31.23,80.91 31.17,80.61 31.13,80.3 31.11,80 31.12,79.69 31.15,79.39 31.21,79.09 31.29,78.79 31.39,78.51 31.52,78.23 31.67,77.96 31.83,77.7 32.02,77.46 32.23,77.23 32.45,77.02 32.69,76.82 32.95,76.65 33.22,76.5 33.49,76.37 33.78,76.26 34.08,76.17 34.38,76.1 34.69,76.07 35,76.05 35.3,76.06 35.59,76.09 35.88,76.14 36.17,76.21 36.45,76.31 36.72,76.43 36.99,76.56 37.24,76.72 37.48,76.89 37.71,77.08 37.92,77.29 38.12,77.51 38.3,77.75 38.46,78 38.6,78.27 38.72,78.54 38.82,78.82 38.9,79.11 38.96,79.4 39,79.7 39.01,80 39,80.3 38.97,80.6 38.92,80.89 38.85,81.19 38.75,81.47 38.63,81.75 38.49,82.02 38.33,82.27 38.16,82.52 37.96,82.75 37.75,82.97 37.52,83.17 37.28,83.35 37.03,83.51 36.76,83.66 36.48,83.78 36.2,83.88 35.9,83.96 35.61,84.02 35.3,84.06 35,84.08 34.7,84.07 34.39,84.04 34.09,83.98 33.8,83.91 33.51,83.81 33.22,83.69 32.95,83.55 32.69,83.39 32.44,83.21 32.21,83.01 31.99,82.79 31.79,82.56 31.6,82.32 31.43,82.06 31.29,81.79 31.16,81.51 31.06,81.22 30.97,80.92 30.91,80.62 30.88,80.31 30.86,80 30.87,79.69 30.9,79.38 30.96,79.08 31.03,78.78 31.13,78.48 31.26,78.2 31.4,77.92 31.56,77.66 31.74,77.4 31.95,77.17 32.16,76.94 32.4,76.74 32.65,76.55 32.91,76.38 33.19,76.23 33.47,76.1 33.77,76 34.07,75.91 34.37,75.85 34.69,75.81 35,75.8 35.3,75.81 35.6,75.84 35.89,75.89 36.19,75.96 36.47,76.05 36.75,76.16 37.02,76.3 37.28,76.45 37.53,76.62 37.77,76.8 37.99,77.01 38.2,77.23 38.39,77.46 38.57,77.71 38.72,77.97 38.86,78.24 38.98,78.52 39.08,78.8 39.16,79.1 39.21,79.39 39.25,79.7 39.26,80 39.25,80.3 39.22,80.61 39.17,80.91 39.1,81.2 39.01,81.49 38.89,81.78 38.76,82.05 38.6,82.32 38.43,82.57 38.24,82.81 38.04,83.04 37.81,83.25 37.58,83.44 37.33,83.62 37.06,83.78 36.79,83.92 36.51,84.04 36.22,84.14 35.92,84.22 35.61,84.28 35.31,84.31 35,84.33 34.69,84.32 34.38,84.29 34.08,84.23 33.78,84.16 33.48,84.07 33.2,83.95 32.92,83.81 32.65,83.66 32.39,83.48 32.15,83.29 31.92,83.08 31.71,82.85 31.51,82.61 31.33,82.36 31.17,82.09 31.02,81.82 30.9,81.53 30.8,81.23 30.72,80.93 30.66,80.62 30.63,80.31 30.61,80 30.62,79.69 30.65,79.37 30.7,79.07 30.78,78.76 30.88,78.46 30.99,78.17 31.13,77.89 31.29,77.62 31.47,77.36 31.66,77.11 31.88,76.88 32.1,76.66 32.35,76.46 32.61,76.28 32.88,76.11 33.16,75.97 33.45,75.84 33.75,75.74 34.06,75.66 34.37,75.6 34.68,75.56 35,75.55 36.45,75.55 ; 35.41,63.98 35.36,63.96 35,63.6 35,63.55 35.21,63.56 35.41,63.6 35.61,63.67 35.8,63.76 35.97,63.88 36.12,64.03 36.25,64.19 36.36,64.38 36.44,64.58 36.49,64.79 36.51,65 36.5,65.22 36.46,65.43 36.39,65.64 36.29,65.83 36.16,66.01 36.01,66.17 35.84,66.31 35.65,66.42 35.44,66.5 35.22,66.55 35,66.58 34.78,66.56 34.55,66.52 34.34,66.45 34.14,66.34 33.95,66.21 33.78,66.05 33.64,65.87 33.53,65.67 33.44,65.46 33.38,65.23 33.36,65 33.37,64.77 33.42,64.54 33.49,64.31 33.6,64.1 33.74,63.91 33.91,63.74 34.09,63.59 34.3,63.47 34.52,63.38 34.76,63.32 35,63.3 35.22,63.31 35.44,63.35 35.66,63.41 35.86,63.51 36.05,63.63 36.22,63.78 36.38,63.94 36.51,64.13 36.61,64.33 36.69,64.55 36.74,64.77 36.76,65 36.75,65.23 36.71,65.46 36.64,65.68 36.54,65.89 36.42,66.09 36.27,66.27 36.1,66.43 35.9,66.56 35.69,66.67 35.47,66.75 35.24,66.8 35,66.83 34.76,66.81 34.52,66.77 34.3,66.7 34.08,66.6 33.87,66.47 33.69,66.31 33.52,66.13 33.38,65.93 33.27,65.72 33.19,65.49 33.13,65.25 33.11,65 33.12,64.75 33.17,64.51 33.24,64.27 33.35,64.05 33.48,63.84 33.64,63.64 33.83,63.47 34.04,63.33 34.26,63.21 34.5,63.13 34.75,63.07 35,63.05 35.24,63.06 35.47,63.1 35.7,63.16 35.92,63.26 36.12,63.38 36.31,63.52 36.48,63.68 36.64,63.87 36.76,64.07 36.87,64.29 36.94,64.52 36.99,64.76 37.01,65 37,65.24 36.96,65.48 36.9,65.72 36.8,65.94 36.68,66.16 36.53,66.35 36.36,66.53 36.17,66.69 35.96,66.82 35.73,66.93 35.49,67.01 35.25,67.06 35,67.08 34.75,67.06 34.5,67.02 34.26,66.95 34.03,66.85 33.81,66.73 33.6,66.57 33.42,66.4 33.26,66.2 